# Altium PCB NFC_EEG.PcbDoc (part 1 of 3)
Units mm, origin at the board's own origin, x right, y up, seen from the top; angles counter-clockwise.
Board outline 56 x 56 mm, 4 copper layers (Top Layer, signal1, signal2, Bottom Layer), stack 0.78 mm thick; 398 components, 204 nets, 1107 pads, 469 vias.
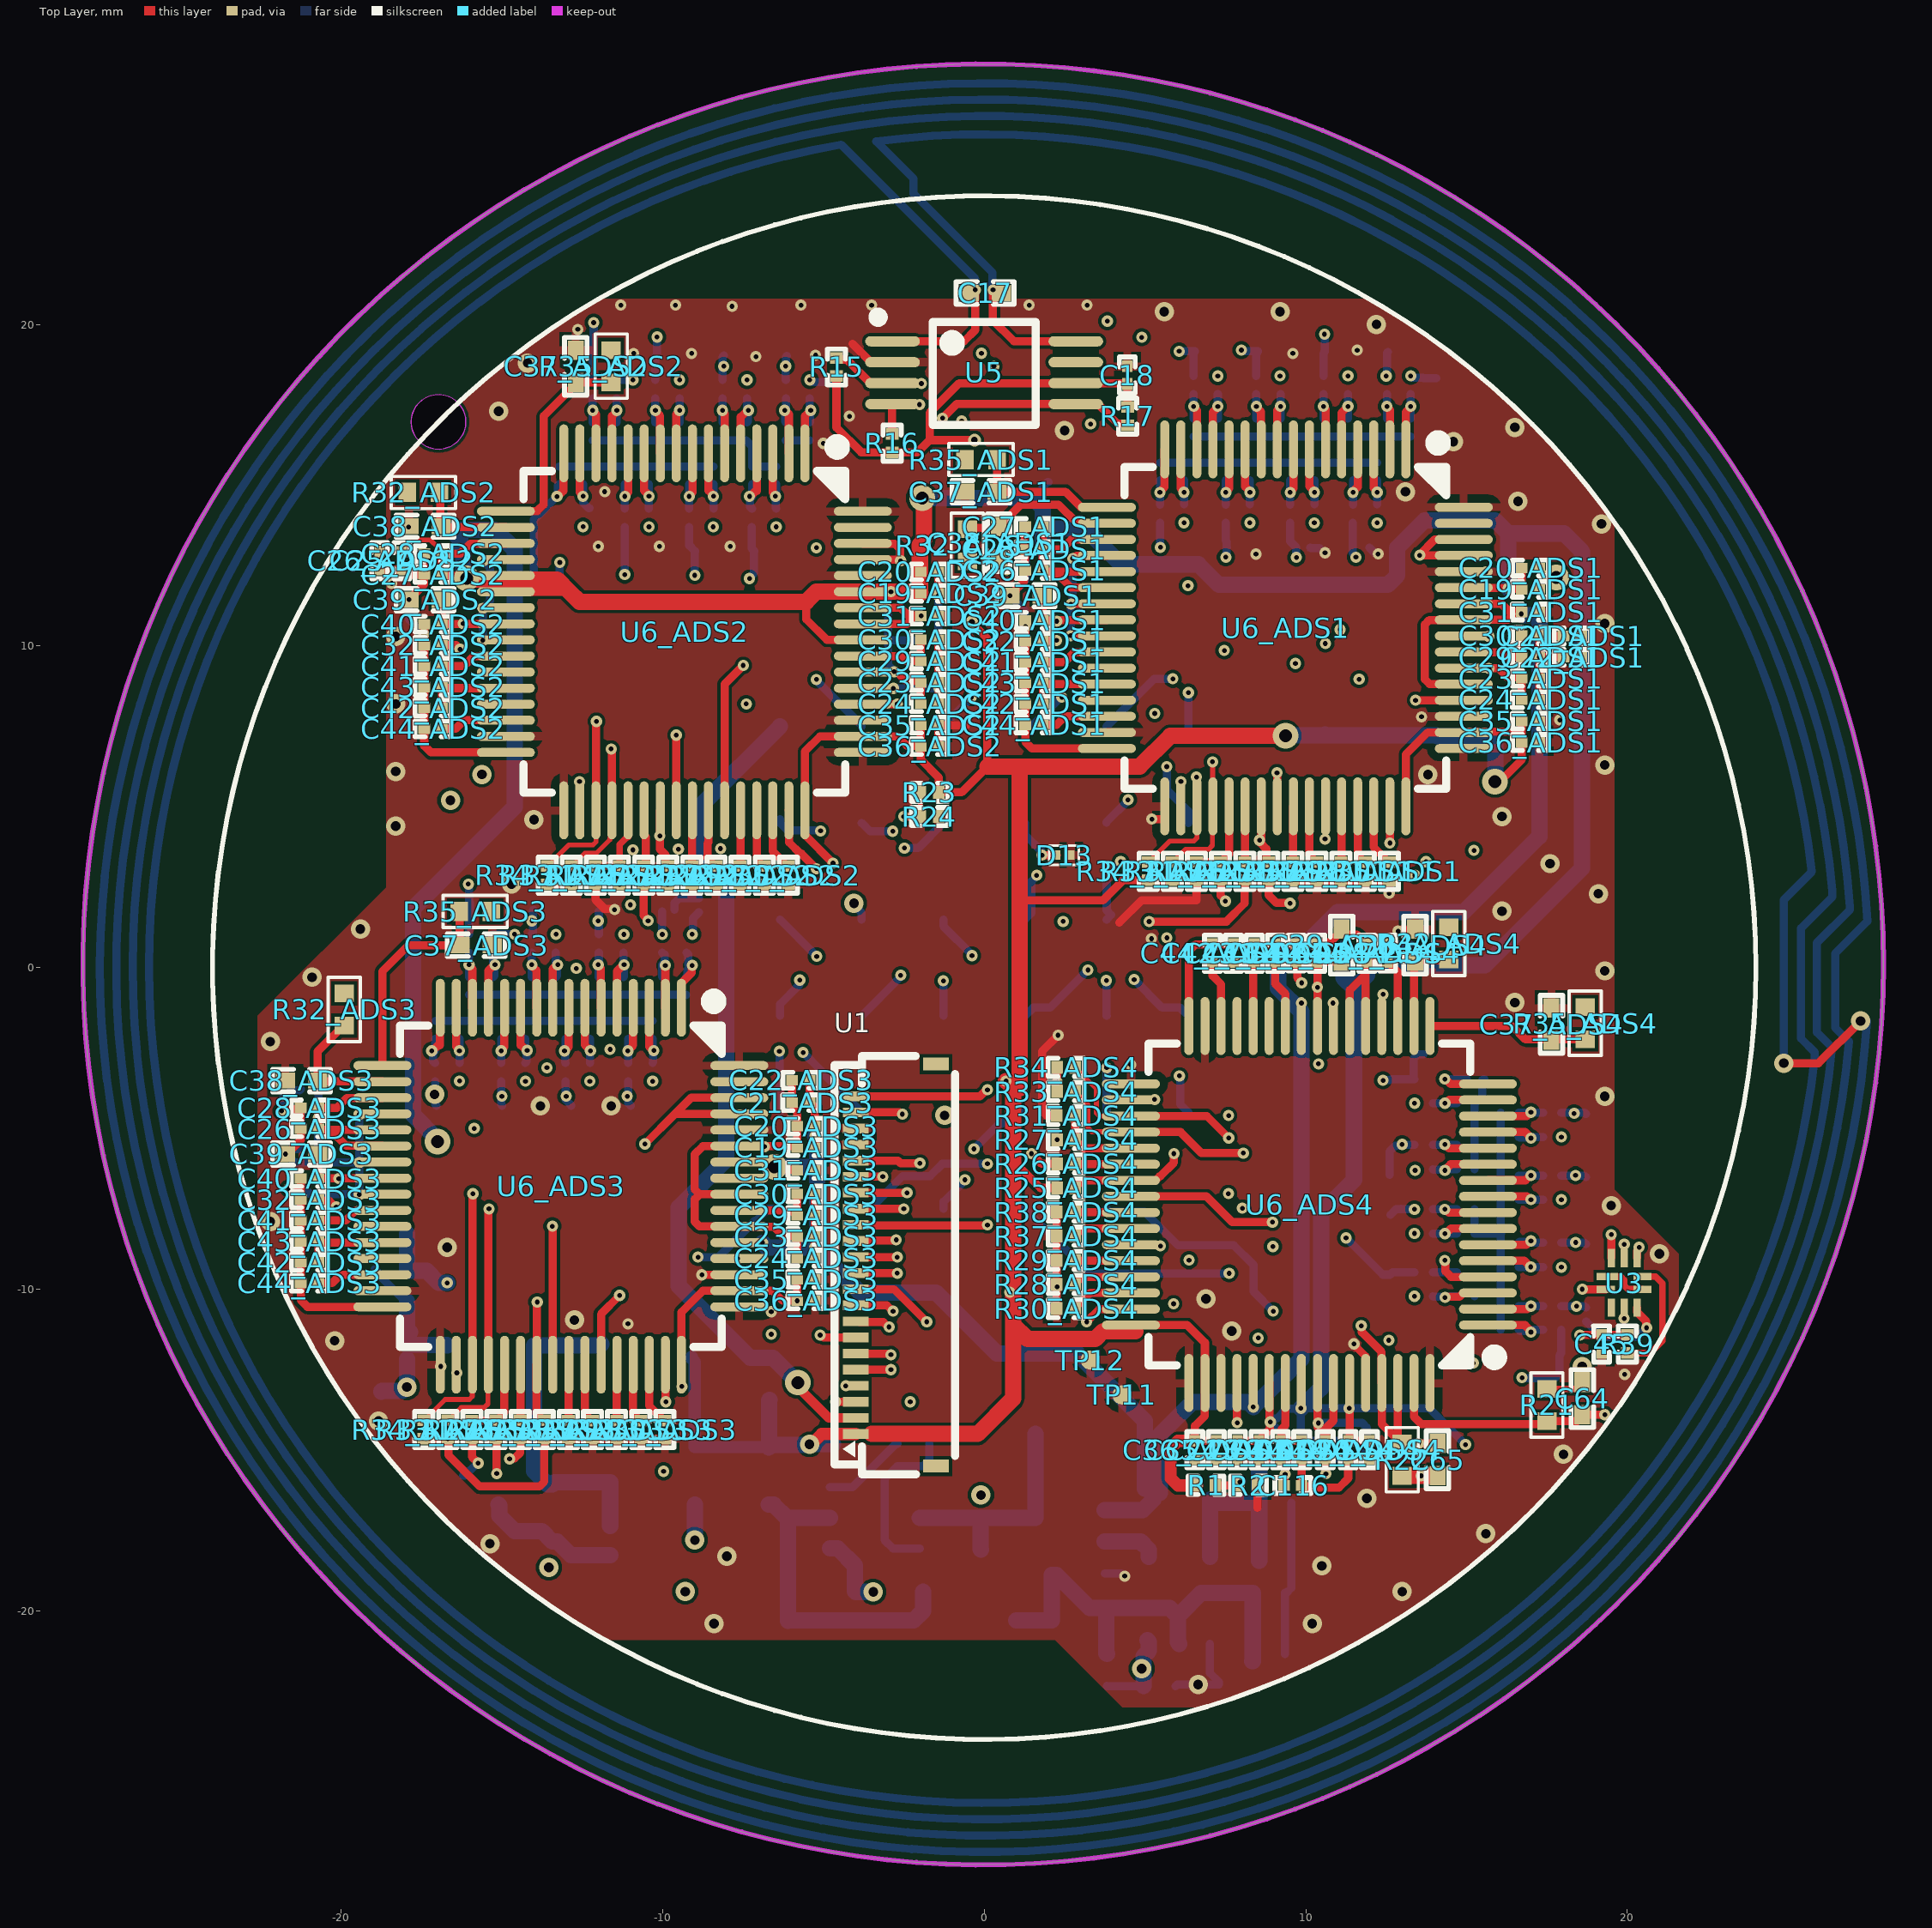
[diagram p0: Top Layer view]
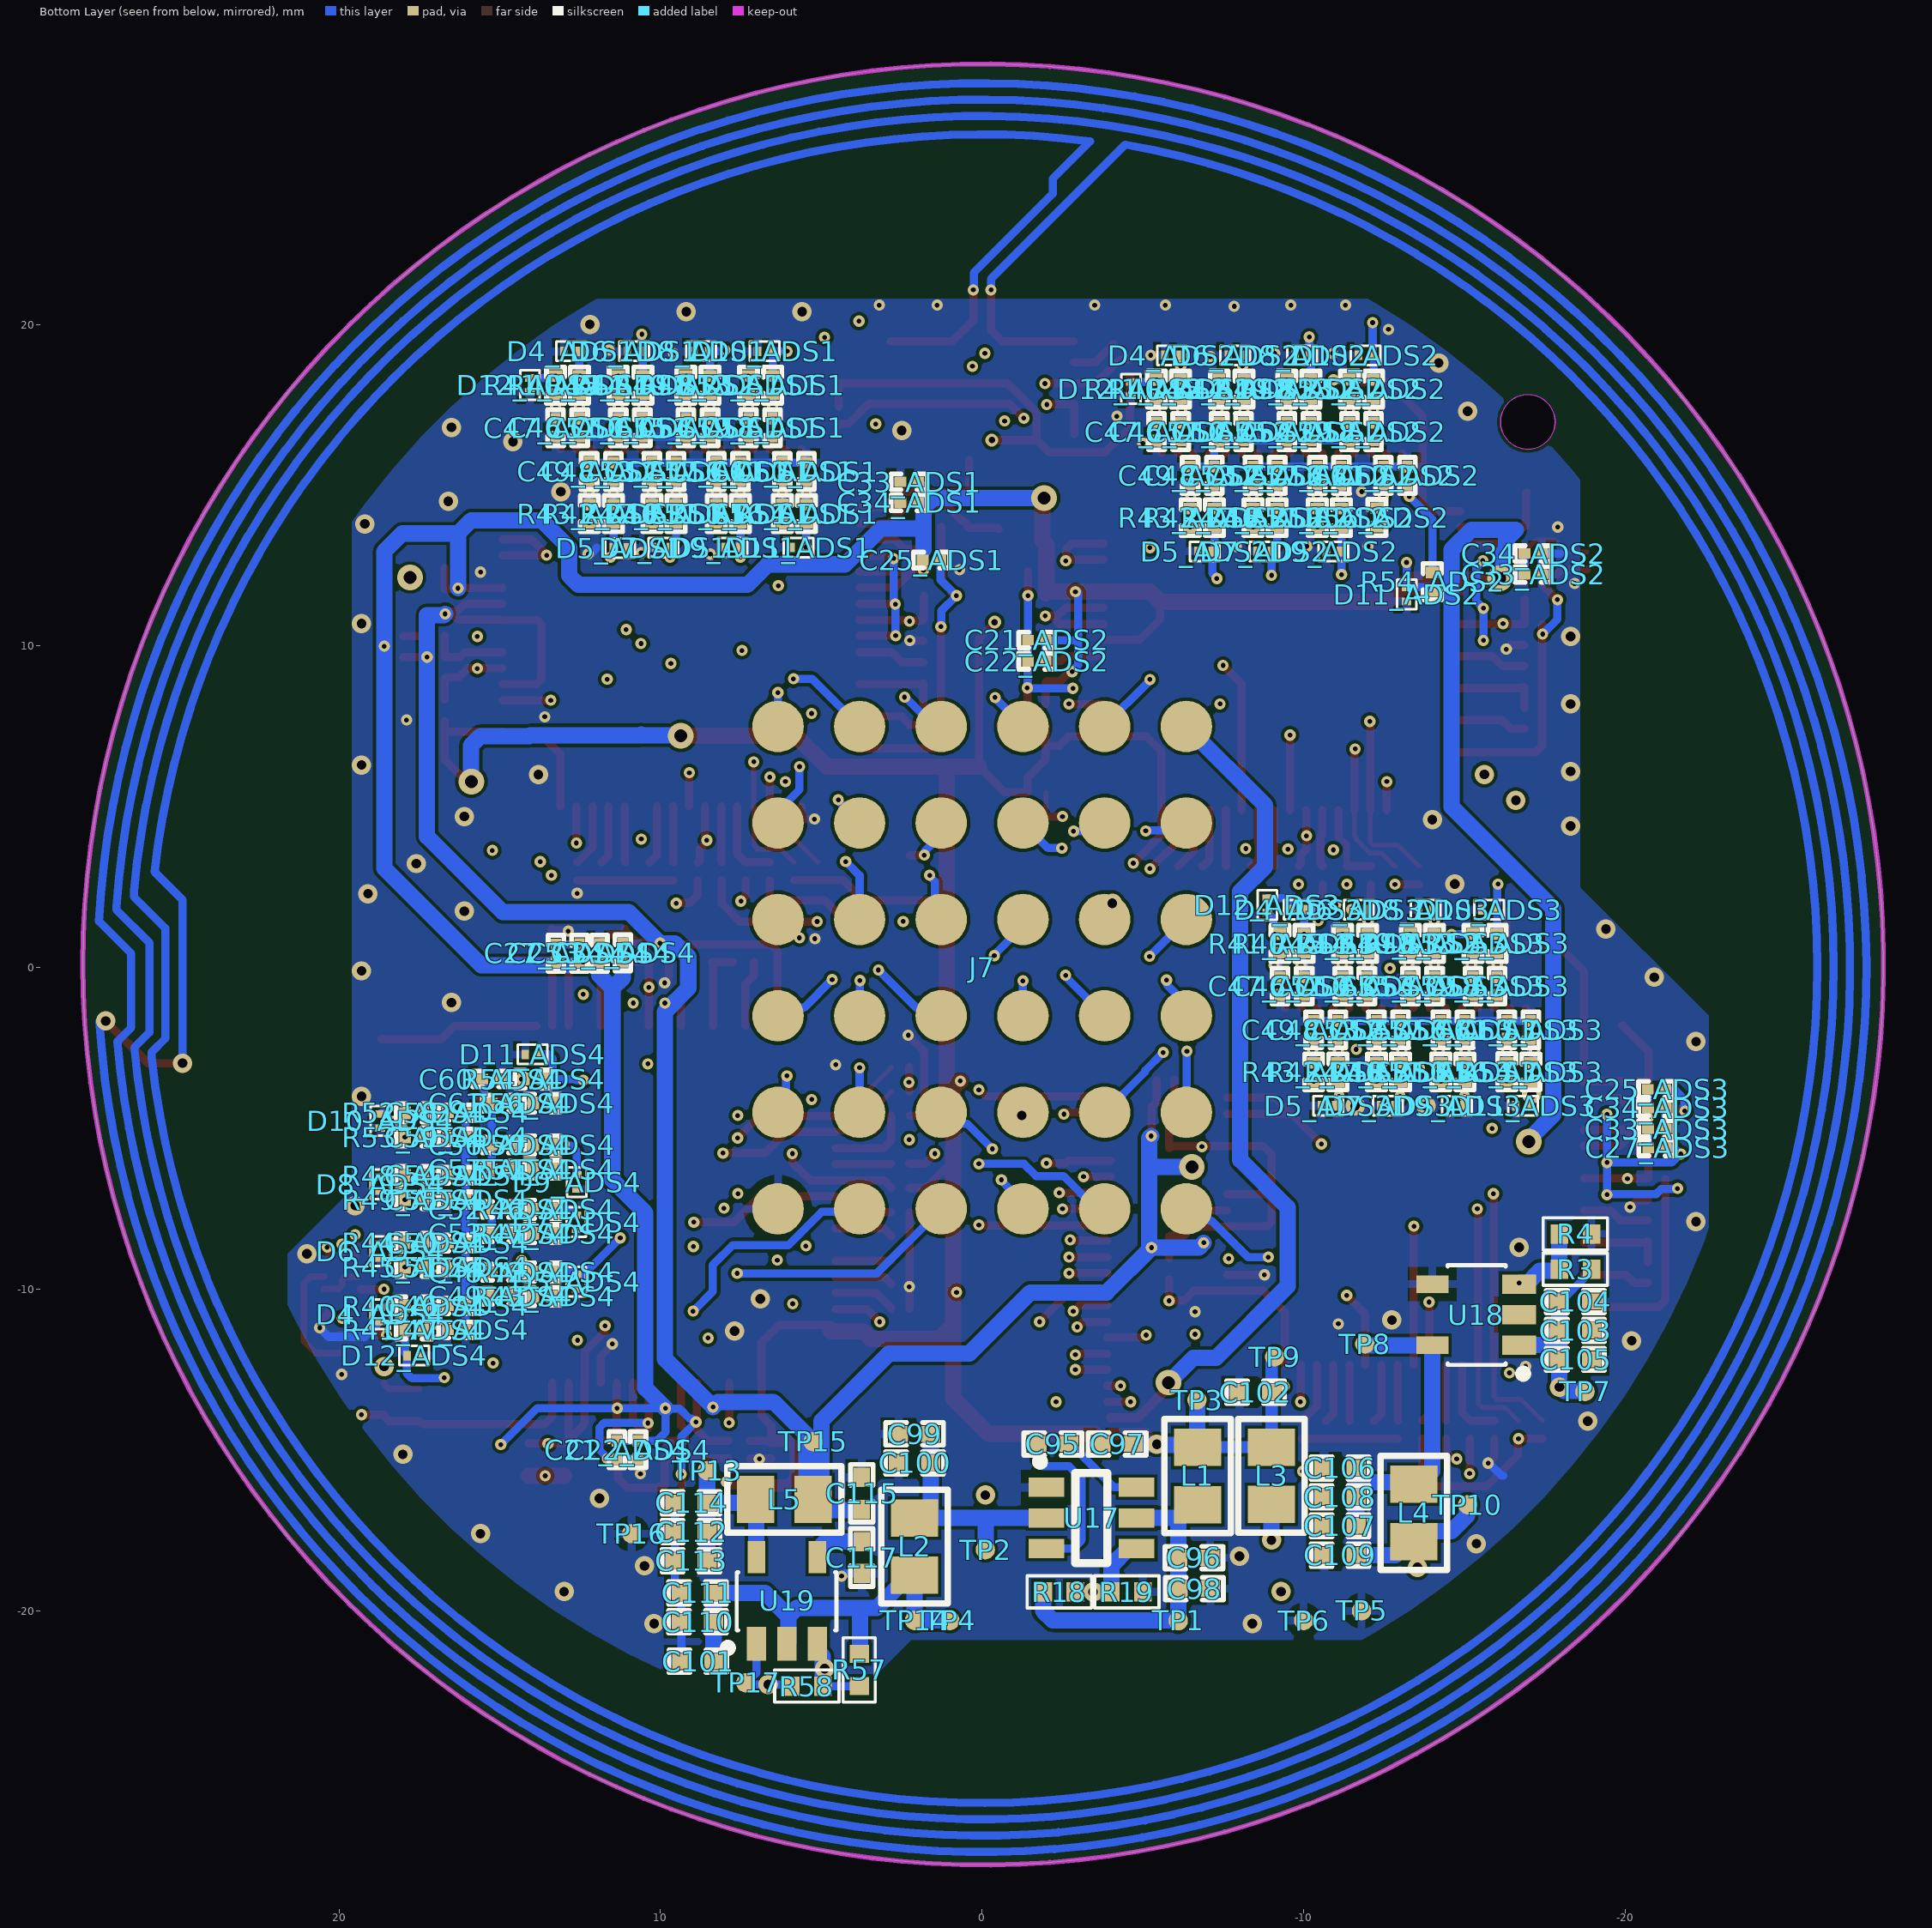
[diagram p1: Bottom Layer view, seen from below]
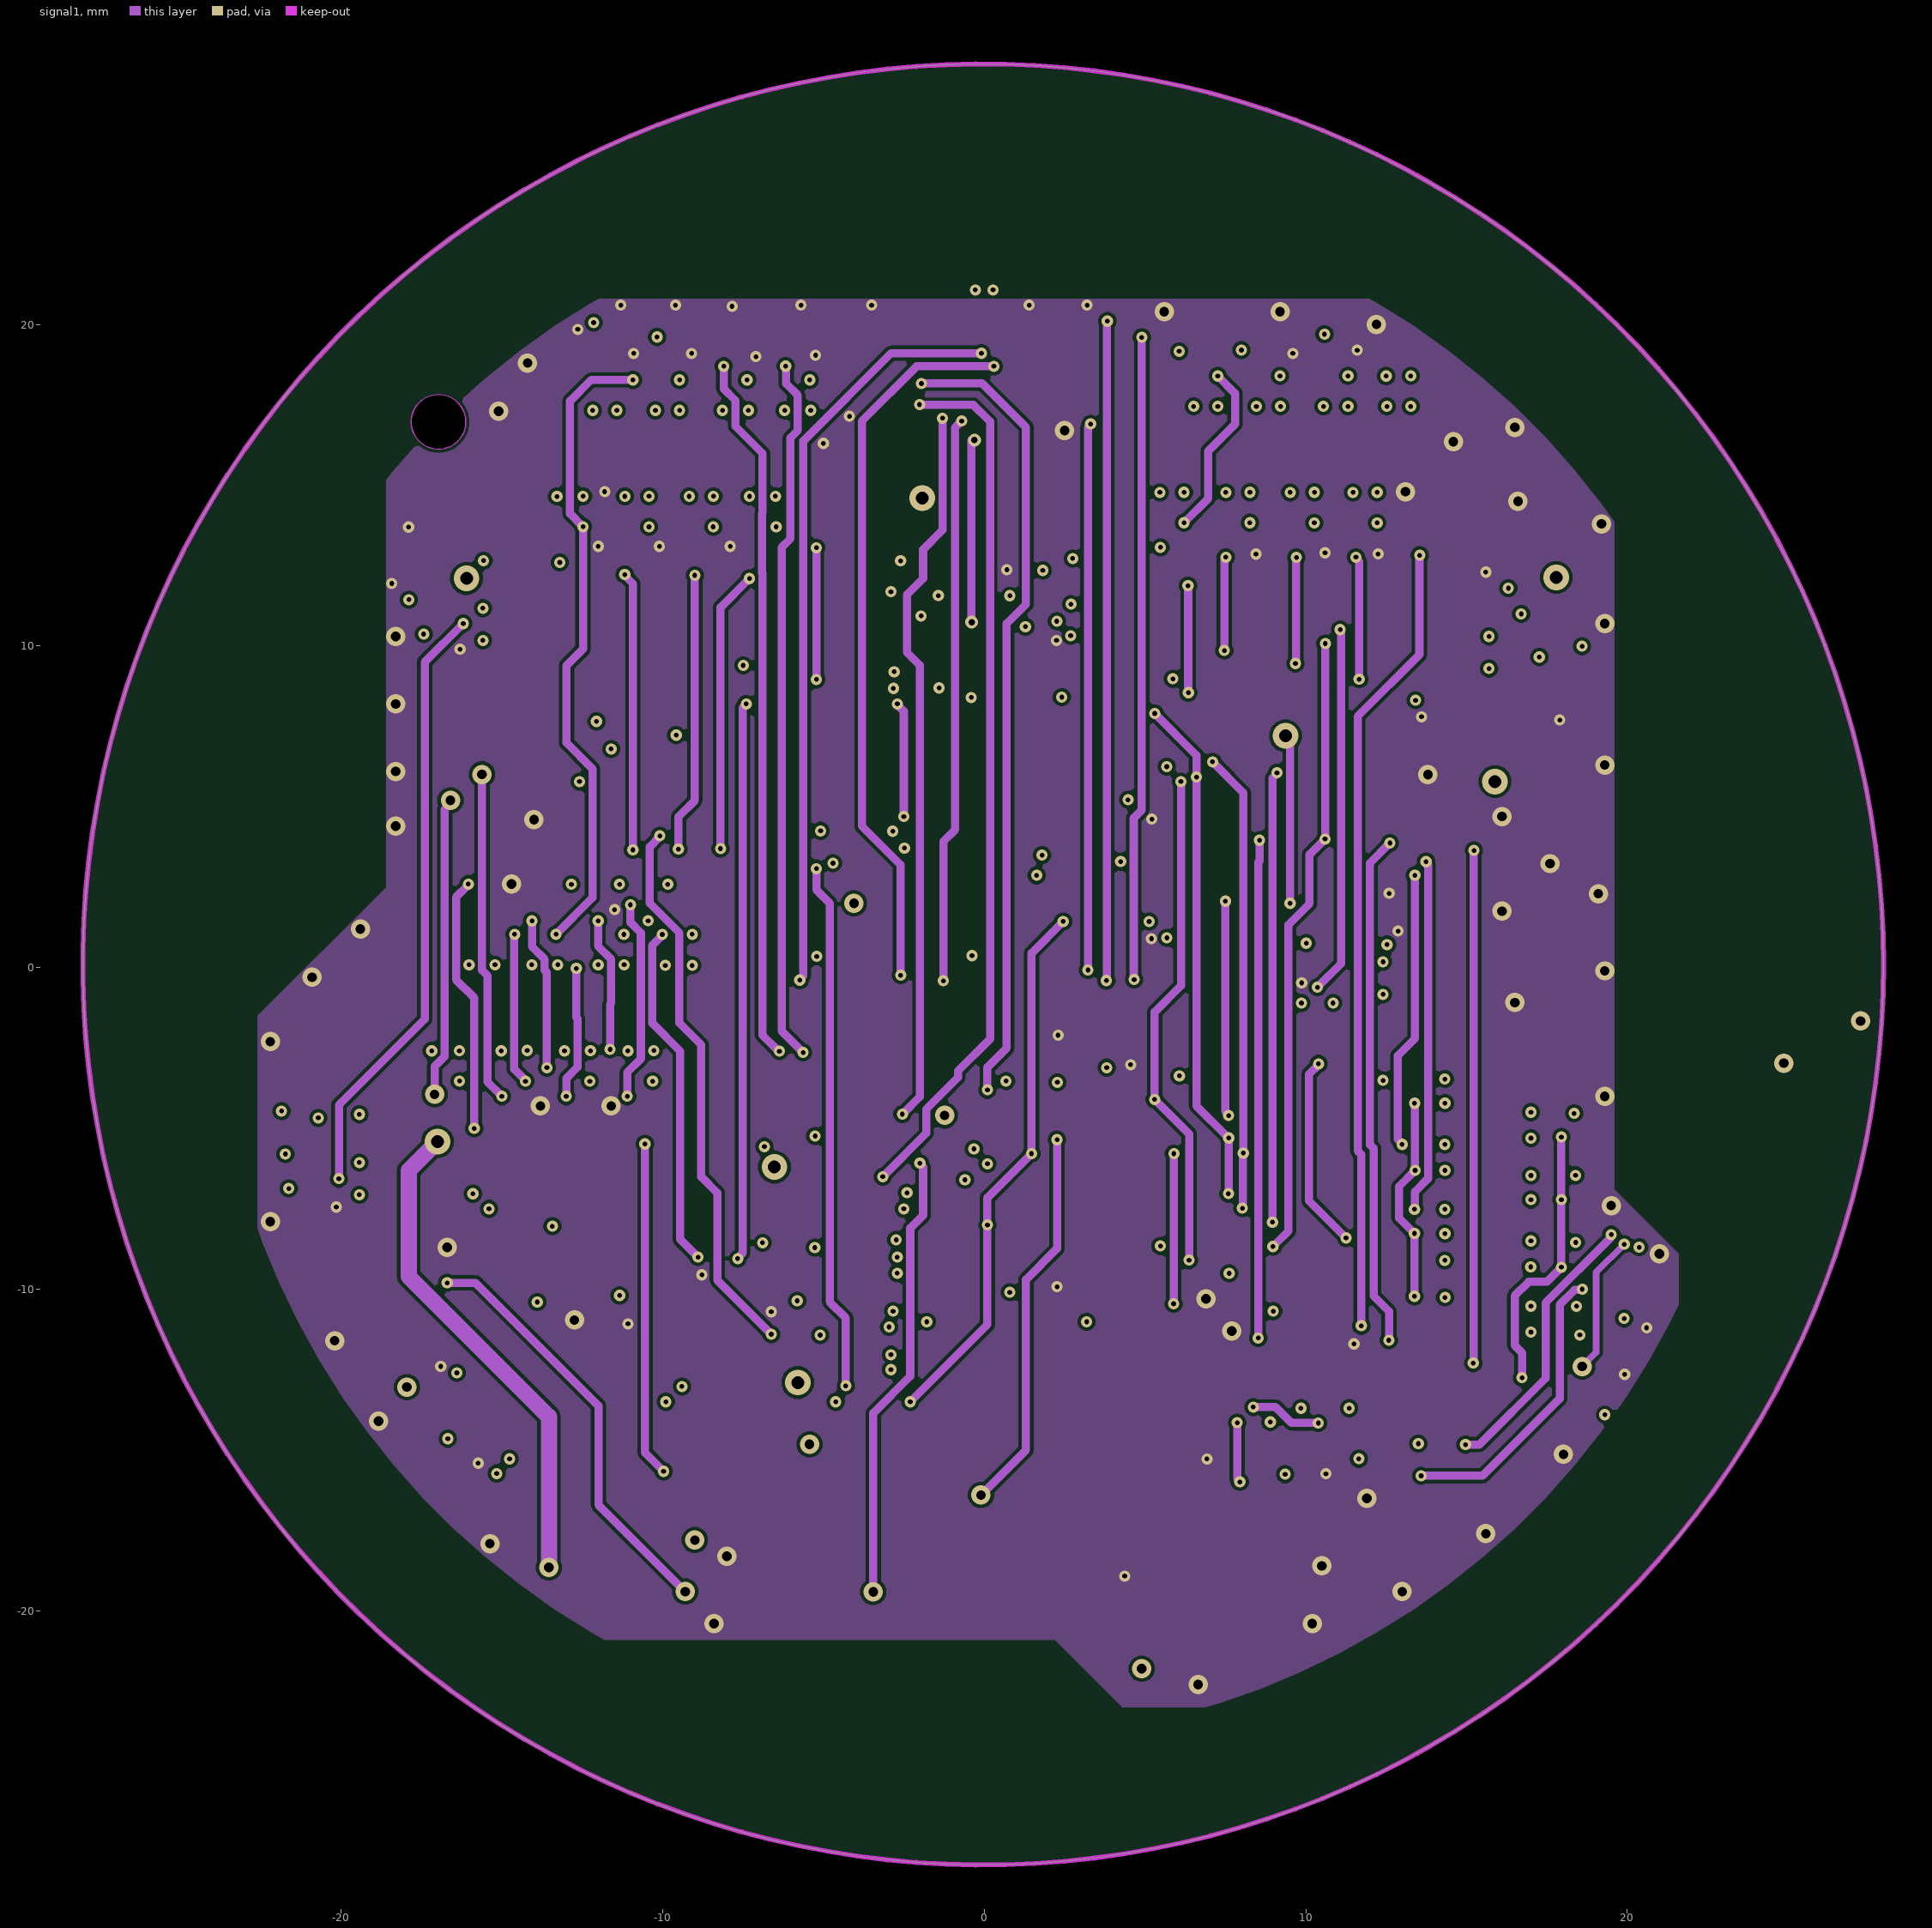
[diagram p2: signal1]